# Altium PCB HW_RV_TOUCH_R1M1.PcbDoc (part 3 of 5)
Units mil, origin at the board's own origin, x right, y up, seen from the top; angles counter-clockwise.
Board outline 7086.61 x 4330.71 mil, 6 copper layers (Top Layer, Int1 (GND), Int2 (Sig), Int3 (PWR), Int4 (GND), Bottom Layer), stack 77.316 mil thick; 341 components, 211 nets, 1147 pads, 844 vias.
Unrouted connection lines stored in the file: 123.
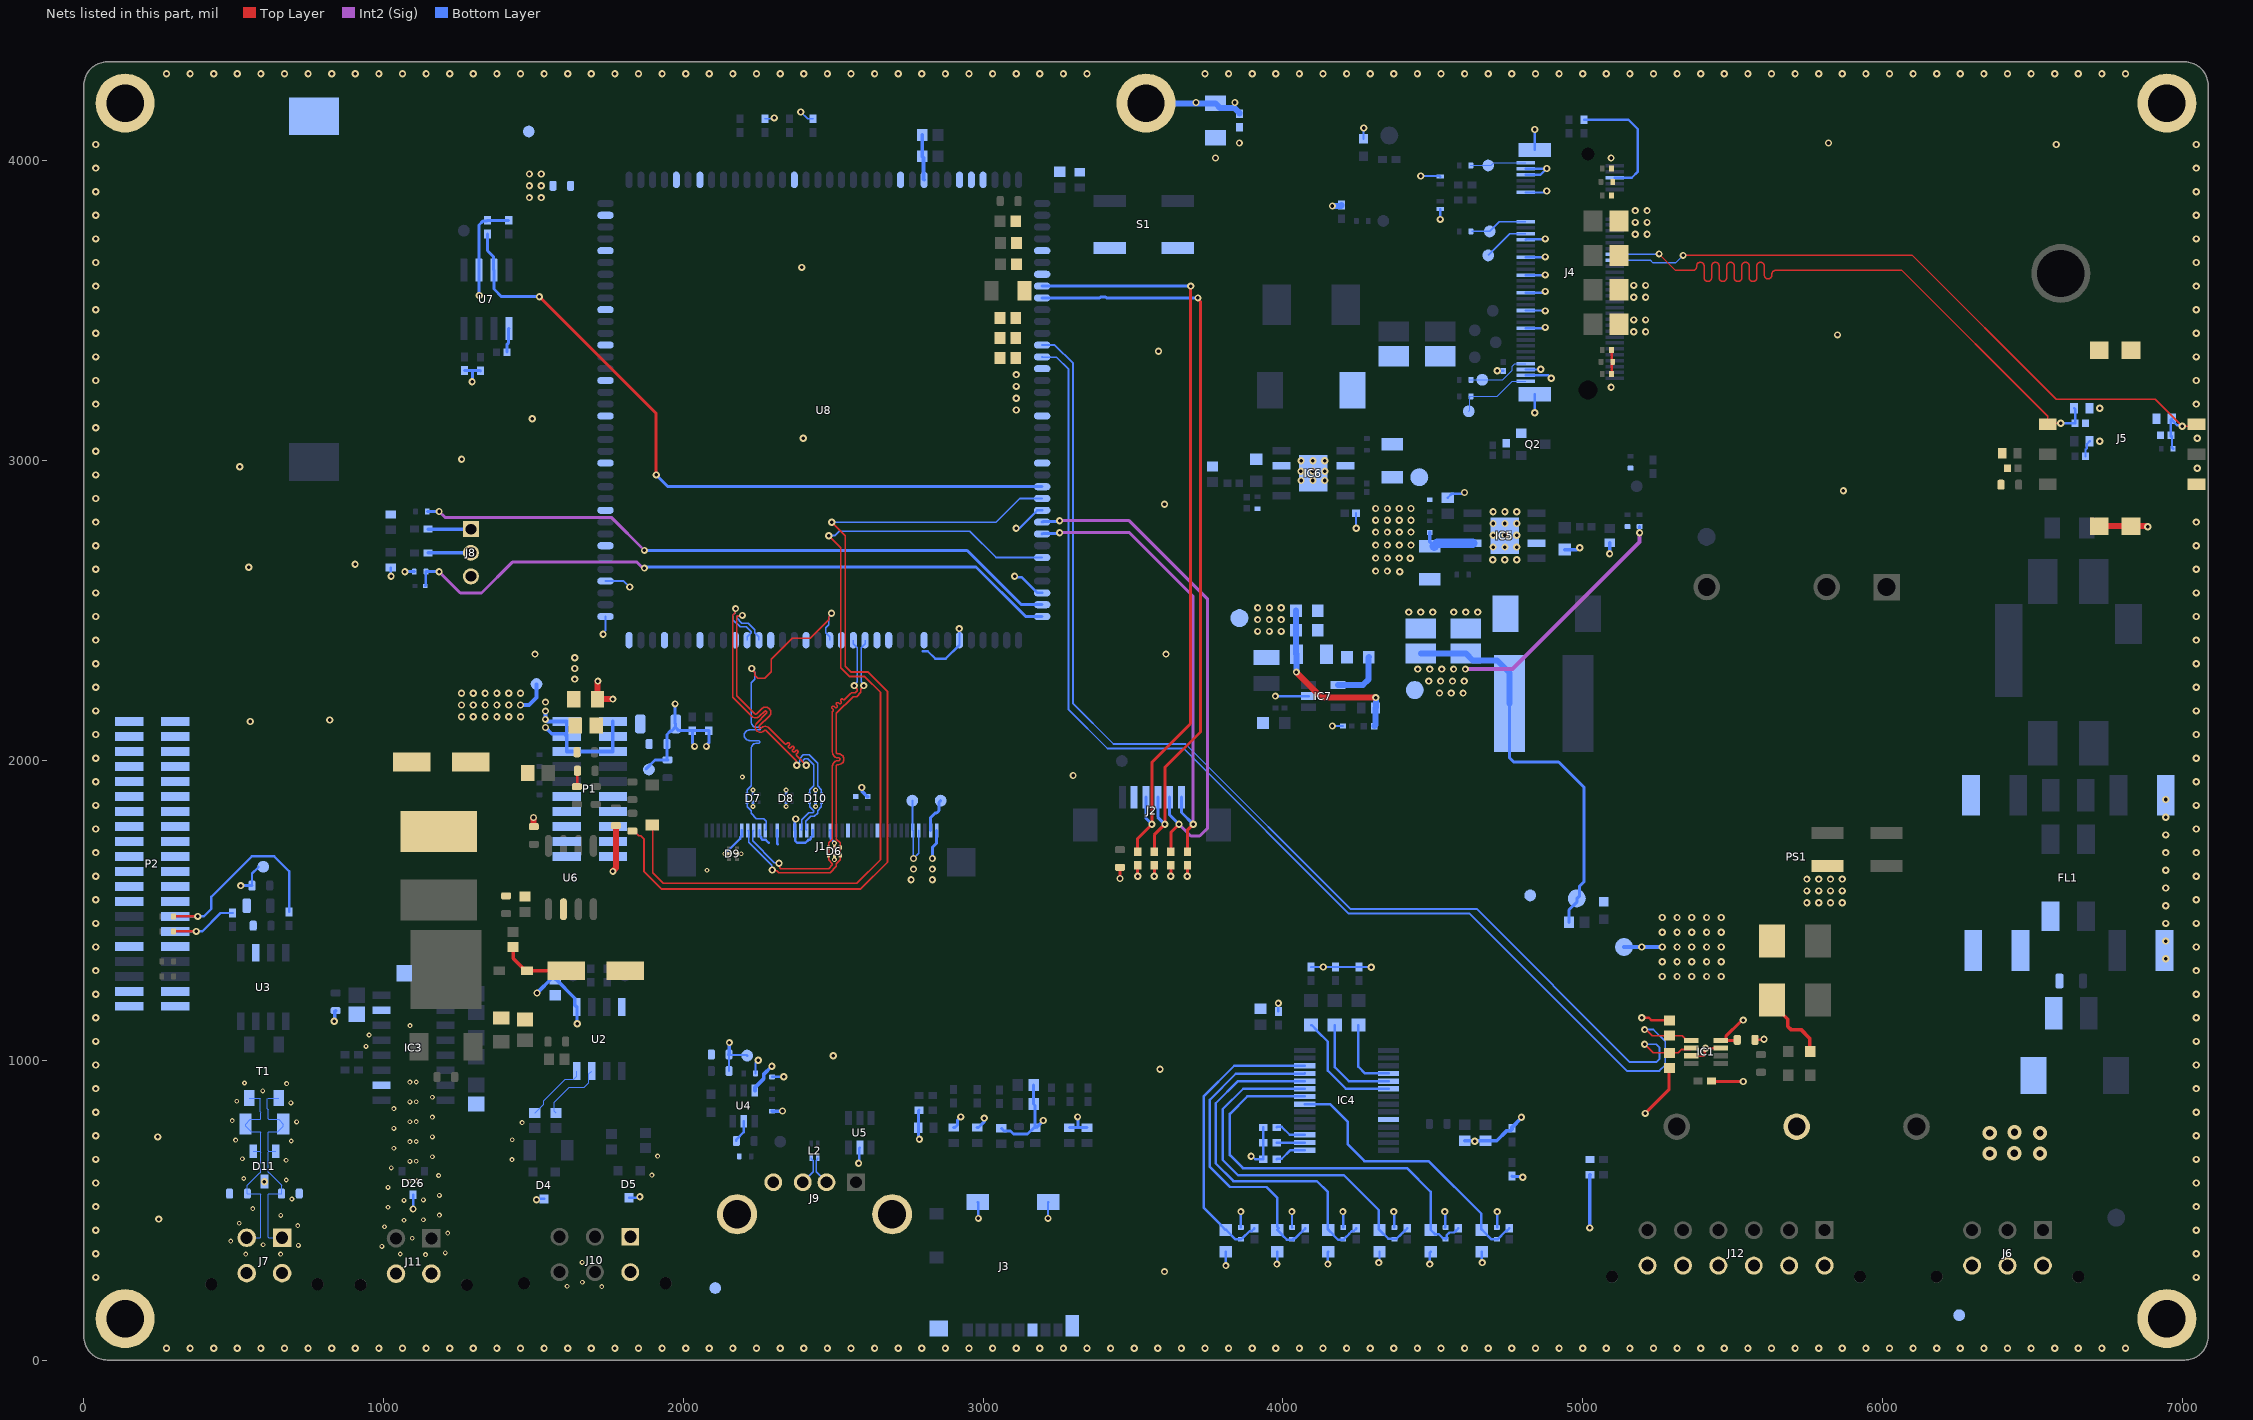
[diagram p7: the nets of this part, all layers, seen from the top]

## Via types
v1: diameter 24.02, hole 12.01, Top Layer to Bottom Layer, tented both sides, 744 vias
v2: diameter 16.14/16.14/16.14/16.14/16.14/16.14 (per signal layer), hole 8.07, Top Layer to Bottom Layer, tented both sides, 71 vias
v3: diameter 16.14, hole 8.07, Top Layer to Bottom Layer, tented both sides, 12 vias
v4: diameter 24.02, hole 12.01, Top Layer to Bottom Layer, 11 vias
v5: diameter 47.24, hole 24.02, Top Layer to Bottom Layer, tented both sides, 6 vias

## Nets (pads, with @x,y where several pads share a name; then routed paths per layer and width w, separated by ;. In a path a pad name is that pad's centre, name@x,y a point inside that pad or via, vN(x,y) a via of type N, cw(c..) or ccw(c..) an arc to the next point about the centre after c; other vN are vias at no path point) (continued)
+3V3: C11.1 C30.2 C31.2 C32.2 C33.2 C65.2 C66.2 C70.2 C80.2 C81.2 D6.5 D7.5 D8.5 D9.5 D10.5 FB1.2 FB2.1 FB3.1 FB6.2 IC1.4 L6.2 P1.1 P1.2 P1.3 P1.4 P1.5 P1.6 R4.2 R5.2 R8.2 R25.2 R26.2 R27.2 R28.2 R29.2 R30.2 R38.2 R56.2 R57.2 R58.2 R59.2 R71.2 R73.2 R75.2 R84.2 R86.2 R88.2 R89.2 R91.2 R93.2 R96.2 R100.2 R101.2 R102.2 R103.2 R114.2 R115.2 R118.2 TP12.1 TP16.1 TP18.1 U2.1 U7.2 | length 4331.8
  Top Layer w6: D9.5@2178.64,1688.98 v3(2192.91,1688.98) ; v3(2503.94,1669.29) D6.5@2503.94,1683.56
  Top Layer w7.99: v1(5196.85,1141.73) 5220.87,1141.73 5229.41,1133.19 R5.2@5289.43,1133.19
  Top Layer w10: v1(3456.69,1606.3) FB2.1@3456.69,1643.7 ; v1(3515.75,1614.17) R29.2@3515.75,1650.59 ; v1(3570.87,1614.17) R28.2@3570.87,1650.59 ; v1(3625.98,1614.17) R30.2@3625.98,1650.59 ; v1(3681.1,1614.17) R27.2@3681.1,1650.59 ; v1(5208.66,822.83) 5287.4,901.57 5287.4,971.71 R8.2@5289.43,973.74 ; R4.2@5430.18,930.44 5430.83,929.78 5534.78,929.78 v1(5535.43,929.13) ; C11.1@5515.81,1068.23 5513.84,1066.26 IC1.4@5460.69,1066.26 5473.86,1066.26 5477.71,1070.12 5477.71,1080.12 5528.77,1131.18 5532.75,1131.18 v1(5535.43,1133.86)
  Top Layer w20: v1(4045,2295) 4130,2210 v1(4310,2210)
  Bottom Layer w6: v3(2232.28,1846.46) D7.5@2232.28,1860.73 ; v3(2342.52,1846.46) D8.5@2342.52,1860.73 ; v3(2440.94,1846.46) D10.5@2440.94,1860.73
  Bottom Layer w8: FB3.1@561.02,1582.68 561.02,1622.51 582.68,1644.17 TP18.1@582.68,1645.67 ; R96.2@3860,442.03 3859.89,442.14 3859.89,494.89 v1(3860,495) ; v1(3894.06,679.53) 3897.8,679.53 3907.65,669.68 R101.2@3934.41,669.68 R102.2@3934.41,724.8 R103.2@3934.41,775.98 ; R100.2@3985,1162.64 v1(3985,1190) ; v1(4030,495) 4030.29,494.71 4030.29,442.32 R93.2@4030.58,442.03 ; R118.2@4094.25,1311.26 R115.2@4174.96,1311.26 R114.2@4253.7,1311.26 4293.74,1311.26 v1(4295,1310) ; v1(4200,495) 4200.69,494.31 4200.69,442.72 R91.2@4201.38,442.03 ; v1(4370,495) 4371.09,493.91 4371.09,443.12 R88.2@4372.18,442.03 ; R86.2@4540,442.03 4541.49,443.52 4541.49,493.51 v1(4540,495) ; R71.2@4715,442.03 v1(4715,495)
  Bottom Layer w10: v1(523.62,1582.68) FB3.1@561.02,1582.68 ; v1(1070.87,2629.92) R38.2@1102.36,2629.92 ; R57.2@1270.24,3301.36 1270.82,3300.78 1296.54,3300.78 ; v1(1295.28,3263.78) 1296.54,3265.04 1296.54,3300.78 ; v1(1318.9,3551.18) 1318.08,3552 U7.2@1318.08,3636 1318.08,3786.58 1330.71,3799.21 1343.5,3799.21 R58.2@1346.46,3802.17 R59.2@1417.32,3802.17 ; R56.2@1322.83,3300.2 1322.25,3300.78 1296.54,3300.78 ; U2.1@1644.57,1177.57 1645.12,1177.03 1645.12,1122.59 v1(1645.67,1122.05) ; TP12.1@1876.09,1972.44 1905.61,2001.97 FB1.2@1946.95,2001.97 ; FB1.2@1947.94,2000.98 FB1.2@1946.95,2001.97 ; v1(1972.44,2188.98) 1972.49,2188.93 1972.49,2124.07 C32.2@1974.51,2122.05 C32.2@1974.51,2112.32 ; v1(2037.4,2047.24) 2037.4,2051.04 2029.63,2058.81 R25.2@2029.63,2099.41 ; v1(2076.77,2047.24) 2076.77,2051.04 2084.75,2059.01 R26.2@2084.75,2099.41 R25.2@2029.63,2099.41 ; R89.2@4764.13,613.58 4764.63,613.09 v1@4800,613.09 ; FB1.2@1946.95,2001.97 1945.97,2002.95 1945.97,2054.13 C33.2@1944.98,2055.12 1944.98,2086.85 1956.07,2097.93 1960.12,2097.93 C32.2@1974.51,2112.32 ; C32.2@1974.51,2112.32 1974.51,2109.86 1984.97,2099.41 R25.2@2029.63,2099.41
  Bottom Layer w12: v1(835,1130) 837.3,1132.3 837.3,1162.77 FB6.2@840,1165.47 ; v1(1511.81,1224.41) 1562.99,1275.59 1567.13,1275.59 C31.2@1572.83,1269.88 1574.8,1269.88 1637.78,1206.91 1637.78,1184.37 U2.1@1644.57,1177.57 ; v1(1540,2110) 1561.24,2088.76 1602.69,2088.76 P1.4@1611.46,2080 ; v1(1540,2165) 1539.91,2164.91 1539.91,2137.12 v1(1539.82,2137.03) 1546.85,2130 P1.2@1611.46,2130 P1.4@1611.46,2080 ; P1.1@1765,2130 P1.3@1765,2080 P1.5@1765,2030 P1.6@1611.46,2030 P1.4@1611.46,2080 ; C81.2@4606.65,731.69 C80.2@4675.55,731.69 4713.24,731.69 4745.81,764.27 4758.32,764.27 4764.13,770.08 R84.2@4764.13,773.03 4764.13,775.98 4795.63,807.48 v1(4795.63,809.83)
  Bottom Layer w20: C65.2@4043.58,2500 C66.2@4043.58,2435 4044.17,2434.42 4044.17,2355.58 C30.2@4044.75,2355 4044.87,2354.87 4044.87,2295.13 v1(4045,2295) ; v1(4165,3850) 4193.19,3850 4195,3851.81 R75.2@4195,3852.64 ; R73.2@4305.43,2115 4308.62,2118.19 C70.2@4308.62,2175 4310,2176.38 v1(4310,2210)
  other v1: 4800,610 4640,730 4134.61,1311.26 1540,2195 3915.63,2430.63 3955,2430.63 3994.37,2430.63 3915.63,2470 3955,2470 3994.37,2470 3915.63,2509.37 3955,2509.37 3994.37,2509.37
+5V0: C16.1 C17.1 C38.2 C52.2 C53.2 C54.2 C67.1 IC7.4 L5.2 R10.2 R11.2 R34.1 R35.2 R68.2 TP7.1 TP17.1 TP20.1 U4.6 | length 2656.4
  Int2 (Sig) w14: v1(4608.74,2305) 4765.63,2305 5190,2729.37 v1(5190,2760)
  Bottom Layer w8: R34.1@2152.17,964.19 C38.2@2152.17,1019.3 2153.95,1017.53 2210.82,1017.53 TP20.1@2212.6,1015.75
  Bottom Layer w10: L5.2@4755.83,2190 4755.83,2009.17 4770,1995 4920,1995 5005,1910 5005,1596.21 4989.91,1581.12 4989.91,1548.74 TP7.1@4980.34,1539.17 ; R11.2@4954.75,1460.43 4954.75,1501.95 4980.34,1527.54 TP7.1@4980.34,1540 ; v1(5190,2760) R10.2@5190,2780.63
  Bottom Layer w12: C38.2@2152.17,1019.3 2152.86,1019.99 2152.86,1058.37 v1(2153.54,1059.06) ; U4.6@2238.79,899.22 2238.79,909.07 2267.5,937.77 2267.5,952.54 v1(2295.28,980.32) ; R35.2@2295.88,830.33 2296.07,830.52 2330.52,830.52 v1(2330.71,830.71)
  Bottom Layer w20: IC7.4@4184.21,2252.01 4267.01,2252.01 4285,2270 4285,2343.58 C67.1@4286.42,2345 ; C16.1@4460,2357.27 C17.1@4610,2357.27 4633.52,2333.75 4714.65,2333.75 4755.83,2292.57 L5.2@4755.83,2190
  other v1: 4522.52,2225 4561.89,2225 4601.26,2225 4486.26,2265 4526.26,2265 4565.63,2265 4605,2265 4450,2305 4490,2305 4530,2305 4569.37,2305 3110.24,3169.29 3110.24,3208.66 3110.24,3248.03 3110.24,3287.4
+12V: C15.2 C18.2 C41.1 IC5.2 IC6.2 J7.3 J10.1 J11.3 L3.1 R1.2 R3.2 R7.2 R9.2 R42.2 R107.2 TP2.1 TP4.1 TP21.1 | length 843.1
  Top Layer w12: R3.2@5631.89,1200.79 5631.89,1188.98 5684.34,1136.53 5684.34,1112.86 5694.83,1102.36 5728.35,1102.36 5757.87,1072.83 5757.87,1029.91 R7.2@5758.92,1028.86
  Bottom Layer w11.81: R9.2@4490,2760.63 4490,2729.49 4504.76,2714.72 C15.2@4505.16,2714.72
  Bottom Layer w12: v1(1456.69,2185.04) 1485.04,2185.04 1510,2210 TP21.1@1510,2255 ; v1(5023.62,440.94) 5024.11,441.44 5024.11,617.62 R1.2@5024.61,618.11 ; TP2.1@5137.8,1377.95 v1(5196.85,1377.95) v1(5265.75,1377.95)
  Bottom Layer w31.5: C15.2@4505.16,2714.72 4515.43,2725 IC5.2@4633.23,2725
  other v1: 5265.75,1279.53 5314.96,1279.53 5364.17,1279.53 5413.39,1279.53 5462.6,1279.53 5265.75,1328.74 5314.96,1328.74 5364.17,1328.74 5413.39,1328.74 5462.6,1328.74 5314.96,1377.95 5364.17,1377.95 5413.39,1377.95 5462.6,1377.95 5265.75,1427.17 5314.96,1427.17 5364.17,1427.17 5413.39,1427.17 5462.6,1427.17 5265.75,1476.38 5314.96,1476.38 5364.17,1476.38 5413.39,1476.38 5462.6,1476.38 1259.84,2145.67 1299.21,2145.67 1338.58,2145.67 1377.95,2145.67 1417.32,2145.67 1456.69,2145.67 1259.84,2185.04 1299.21,2185.04 1338.58,2185.04 1377.95,2185.04 1417.32,2185.04 1259.84,2224.41 1299.21,2224.41 1338.58,2224.41 1377.95,2224.41 1417.32,2224.41 1456.69,2224.41 4390,2630 4309.37,2631.97 4348.74,2631.97 4309.37,2675.28 4348.74,2675.28 4388.11,2675.28 4425,2675 4309.37,2718.58 4348.74,2718.58 4388.11,2718.58 4427.48,2718.58 4309.37,2761.89 4348.74,2761.89 4388.11,2761.89 4427.48,2761.89 4309.37,2801.26 4348.74,2801.26 4388.11,2801.26 4427.48,2801.26 4309.37,2840.63 4348.74,2840.63 4388.11,2840.63 4427.48,2840.63
A: R18.1 U2.8 | length 214.9
  Bottom Layer w4: R18.1@1503.94,824.8 1505.91,824.8 1535,853.9 1535,865 1606.01,936.01 1633.78,936.01 1644.57,946.81 U2.8@1644.57,964.03
A0: IC4.17 R103.1 | length 105.3
  Bottom Layer w8: R103.1@3979.68,775.98 3981.65,777.95 3996.42,777.95 4022.99,751.38 IC4.17@4073.19,751.38
A1: IC4.16 R102.1 | length 93.9
  Bottom Layer w8: R102.1@3979.68,724.8 3980.18,725.3 4072.7,725.3 IC4.16@4073.19,725.79
A2: IC4.15 R101.1 | length 106.1
  Bottom Layer w8: R101.1@3979.68,669.68 3981.65,671.65 3996.42,671.65 4024.96,700.2 IC4.15@4073.19,700.2
AGND: FB9.2 U8.18 U8.21 U8.24 U8.27 U8.32 U8.35 U8.41 U8.43
B: R20.1 U2.7 | length 222.1
  Bottom Layer w4: R20.1@1574.8,824.8 1570,829.61 1570,860 1620,910 1670,910 1685,925 1685,954.45 U2.7@1694.57,964.03
CAN0_N: C36.2 D11.1 J7.2 R32.2 T1.4 | length 715.5
  Bottom Layer w4: J7.2@543.31,407.87 588.02,407.87 590.36,410.22 590.36,479.44 590.36,552.77 588.02,555.12 C36.2@545.28,555.12 545.28,582.3 587.08,624.11 588.02,624.11 590.36,626.45 590.36,657.93 590.36,693.52 588.02,695.87 ; T1.4@551.18,874.02 586.05,874.02 588.39,871.67 588.39,827.57 590.36,825.6 590.36,805.49 588.02,803.15 555.12,803.15 R32.2@539.37,787.4 539.37,780.48 558.04,761.81 588.02,761.81 590.36,759.47 590.36,730.9 590.36,698.21 588.02,695.87 ; D11.1@564.96,695.87 588.02,695.87
CAN0_P: C37.2 D11.2 J7.1 R32.1 T1.3 | length 715.5
  Bottom Layer w4: D11.2@639.76,695.87 616.71,695.87 ; T1.3@649.61,874.02 614.74,874.02 612.39,871.67 612.39,837.51 614.36,835.54 614.36,805.49 616.71,803.15 649.61,803.15 R32.1@665.35,787.4 665.35,780.48 646.69,761.81 616.71,761.81 614.36,759.47 614.36,740.84 614.36,698.21 616.71,695.87 ; J7.1@661.42,407.87 616.71,407.87 614.36,410.22 614.36,469.5 614.36,552.77 616.71,555.12 C37.2@659.45,555.12 659.45,582.3 617.64,624.11 616.7,624.11 614.36,626.45 614.36,647.99 614.36,693.52 616.71,695.87
CAN0_RX: P2.14 R33.2 R110.1 | length 722.6
  Top Layer w8: R110.1@299.37,1480 v4(380,1480)
  Bottom Layer w8: P2.14@305,1480 400,1480 425,1505 425,1545 560,1680 635,1680 685.04,1629.96 R33.2@685.04,1495.08
CAN0_TX: P2.12 R31.2 R108.1 | length 292
  Top Layer w8: R108.1@299.37,1430 v4(375,1430)
  Bottom Layer w8: P2.12@305,1430 v4(375,1430) 395,1430 456.14,1491.14 R31.2@496.06,1491.14
CHS_GND: C2.2 C3.2 C9.1 C10.1 C74.1 MTG1.0 MTG2.0 MTG3.0 MTG4.0 MTG6.0 R83.1 | length 328
  Bottom Layer w20: MTG6.0@3543.31,4192.91 3543.72,4192.5 3774.59,4192.5 C74.1@3775,4192.09 3790.59,4176.5 3839.09,4176.5 3855,4160.59 R83.1@3855,4157.64
  other v1: 6944.88,1338.58 6944.88,1397.64 6944.88,1456.69 6944.88,1515.75 6944.88,1574.8 6944.88,1633.86 6944.88,1692.91 6944.88,1751.97 6944.88,1811.02 6944.88,1870.08 3710,4195 3840,4195
CLK1: C75.2 D32.2 J4.32 J5.3 | length 2340.7
  Top Layer w5.1: v1(5255,3690) 5310,3635 5365,3635 5367.55,3635 ccw(c5367.55,3647.55) 5380.1,3647.55 5380.1,3649.63 cw(c5392.65,3649.63) 5405.2,3649.63 5405.2,3610.56 ccw(c5417.75,3610.56) 5430.3,3610.56 5430.3,3649.63 cw(c5442.85,3649.63) 5455.4,3649.63 5455.4,3610.56 ccw(c5467.95,3610.56) 5480.5,3610.56 5480.5,3649.63 cw(c5493.05,3649.63) 5505.6,3649.63 5505.6,3610.56 ccw(c5518.15,3610.56) 5530.7,3610.56 5530.7,3649.63 cw(c5543.25,3649.63) 5555.8,3649.63 5555.8,3610.56 ccw(c5568.35,3610.56) 5580.9,3610.56 5580.9,3649.63 cw(c5593.45,3649.63) 5606,3649.63 5606,3619.3 ccw(c5618.55,3619.3) 5631.1,3619.3 5631.1,3622.45 cw(c5643.65,3622.45) 5643.65,3635 5678.71,3635 6065,3635 6551.54,3148.46 6551.54,3121.88 J5.3@6551.97,3121.46 ; J5.3@6555.51,3125 v1(6595,3125)
  Bottom Layer w5.1: J4.32@5108.09,3689.15 v1@5254.15,3689.15
  Bottom Layer w8: J4.32@5107.24,3688.31 J4.32@5108.09,3689.15 ; v1@5254.15,3689.15 v1(5255,3690) ; v1(6595,3125) C75.2@6642.68,3125 6642.68,3171.73 D32.2@6639.41,3175
Config_0: J4.21 R136.1 TP23.1 | length 193.7
  Bottom Layer w4.7: R136.1@4629.37,3765 TP23.1@4690,3765 4721.57,3796.57 J4.21@4810,3796.57
Config_1: J4.69 R135.1 TP35.1 | length 220.3
  Bottom Layer w4: R135.1@4619.69,3270 4732.83,3270 4765,3302.17 4765,3315 4774.13,3324.13 J4.69@4810,3324.13
Config_2: J4.75 R134.1 TP36.1 | length 264.1
  Bottom Layer w4: R134.1@4619.69,3215 R134.1@4627.32,3215 ; TP36.1@4620,3165 4623.66,3168.66 4623.66,3211.34 R134.1@4627.32,3215 ; J4.75@4810,3265.08 4765.08,3265.08 4715,3215 R134.1@4627.32,3215
Config_3: J4.1 R133.1 TP22.1 | length 188.5
  Bottom Layer w4: R133.1@4625,3985 4694.57,3985 4703,3993.43 J4.1@4810,3993.43
CTP_#INT: J2.5 R30.1 U8.98 | length 1755.6
  Top Layer w10: R30.1@3625.98,1695.87 3625.98,1759.84 v1(3653.54,1787.4)
  Int2 (Sig) w10: v1(3255,2800) 3487.4,2800 3749.02,2538.39 3749.02,1774.56 3722.49,1748.03 3692.91,1748.03 v1(3653.54,1787.4)
  Bottom Layer w10: U8.98@3196.85,2795.27 3199.21,2797.64 3252.64,2797.64 v1(3255,2800) ; J2.5@3622.05,1877.95 3622.05,1818.9 v1(3653.54,1787.4)
CTP_#RESET: J2.6 R27.1 U8.99 | length 1560.2
  Top Layer w10: R27.1@3681.1,1695.87 3681.1,1767.72 v1(3700.79,1787.4)
  Int2 (Sig) w10: v1(3255,2760) 3488.03,2760 3700.79,2547.24 v1(3700.79,1787.4)
  Bottom Layer w10: U8.99@3196.85,2755.9 3198.9,2757.95 3252.95,2757.95 v1(3255,2760) ; J2.6@3661.42,1877.95 3661.42,1826.77 v1(3700.79,1787.4)
CTP_SCL: J2.3 R29.1 U8.78 | length 2555
  Top Layer w10: R29.1@3515.75,1695.87 3515.75,1740.16 v1(3562.99,1787.4) 3562.99,1994.32 3691.53,2122.85 3691.53,3581.29 v1(3692.91,3582.68)
  Bottom Layer w10: U8.78@3196.85,3582.68 v1(3692.91,3582.68) ; J2.3@3543.31,1877.95 3543.31,1807.09 v1(3562.99,1787.4)
CTP_SDA: J2.4 R28.1 U8.79 | length 2537
  Top Layer w10: R28.1@3570.87,1695.87 3570.87,1751.97 v1(3606.3,1787.4) 3606.3,1976.38 3725,2095.08 3725,3531.05 3716.54,3539.51 v1(3716.54,3543.31)
  Bottom Layer w10: U8.79@3196.85,3543.31 3388.6,3543.31 3391.3,3546.01 3408.7,3546.01 3411.4,3543.31 v1(3716.54,3543.31) ; J2.4@3582.68,1877.95 3582.68,1811.02 v1(3606.3,1787.4)
DAT1: C79.2 D29.2 J4.34 J5.6 R138.1 | length 2350.7
  Top Layer w5.1: v1(5335,3685) 6100,3685 6580,3205 6910,3205 v1(7000,3115) 7041.57,3115 J5.6@7048.03,3121.46
  Bottom Layer w5.1: J4.34@5107.24,3668.62 5226.38,3668.62 5235,3660 5310,3660 v1(5335,3685)
  Bottom Layer w8: C79.2@6963.5,3079.72 6962.32,3080.9 C79.2@6962.32,3085 ; R138.1@6969.69,3040 6966,3043.68 6966,3081.32 C79.2@6962.32,3085 ; v1(7000,3115) 6996.94,3118.06 6983.59,3118.06 6965.59,3136.06 D29.2@6965.59,3140 6962.32,3136.73 C79.2@6962.32,3085
DBG_UART_RX: D13.2 R38.1 U8.106 | length 2253.4
  Int2 (Sig) w10: v1(1185.04,2629.92) 1255.91,2559.06 1326.77,2559.06 1429.13,2661.42 1845.6,2661.42 1865.28,2641.73 v1(1870.08,2641.73)
  Bottom Layer w8: D13.2@1139.27,2582.68 1140.5,2583.91 1140.5,2628.69 R38.1@1141.73,2629.92
  Bottom Layer w10: R38.1@1141.73,2629.92 v1(1185.04,2629.92) ; v1(1870.08,2641.73) 1874.02,2645.67 2976.38,2645.67 3141.73,2480.31 U8.106@3196.85,2480.31
DBG_UART_TX: R39.2 U8.105 | length 2180
  Int2 (Sig) w10: v1(1185.04,2830.71) 1204.52,2811.23 1759.64,2811.23 v1(1870.08,2700.79)
  Bottom Layer w10: R39.2@1145.67,2830.71 v1(1185.04,2830.71) ; v1(1870.08,2700.79) 2946.72,2700.79 3127.82,2519.68 U8.105@3196.85,2519.68
DEBUG_RX: J8.2 R41.1 | length 142.7
  Bottom Layer w12: R41.1@1148.62,2692.91 J8.2@1291.34,2692.91
DEBUG_TX: J8.1 R40.1 | length 142.7
  Bottom Layer w12: R40.1@1148.62,2771.65 J8.1@1291.34,2771.65
DRP: J4.25 TP28.1 | length 154.9
  Bottom Layer w4.7: TP28.1@4685,3685 4757.2,3757.2 J4.25@4810,3757.2
FUL_CARD_POWER_OFF#: J4.6 R79.1 | length 419
  Bottom Layer w8: R79.1@5005,4137.64 5152.36,4137.64 5184.21,4105.79 5184.21,3964.69 5163.74,3944.21 J4.6@5107.24,3944.21
GND: BAT1.NEG C8.2 C11.2 C15.1 C16.2 C17.2 C18.1 C19.2 C20.1 C21.2 C22.2 C23.1 C24.1 C30.1 C31.1 C32.1 C33.1 C34.1 C35.1 C36.1 C37.1 C38.1 C39.1 C40.1 C41.2 C42.2 C43.1 C44.1 C45.1 C46.1 C47.1 C48.1 C49.1 C50.1 C51.1 C52.1 C53.1 C54.1 C55.1 C56.1 C57.1 C58.1 C59.1 C62.2 C63.2 C64.2 C65.1 C66.1 C67.2 C68.2 C69.1 C72.1 C74.2 C75.1 C76.1 C77.1 C78.1 C79.1 C82.1 C84.2 C85.2 C86.2 C87.2 C88.1 C89.1 C90.2 C91.1 C92.1 C93.1 C94.1 C95.1 C96.1 C97.2 C98.2 D2.1 D3.1 D4.3 D5.3 D6.2 D7.2 D8.2 D9.2 D10.2 D11.3 D14.1 D15.1 D18.1 D19.1 D20.1 D21.1 D22.1 D23.1 D24.1 D25.1 D26.3 D27.1 D28.1 D29.1 D30.1 D31.1 D32.1 D36.2 D37.2 FB9.1 GND.1 IC1.3 IC1.7 IC3.10 IC3.15 IC4.10 IC5.7 IC5.9 IC6.7 IC6.9 IC7.2 J1.7 J1.10 J1.13 J1.16 J1.19 J1.22 J1.25 J1.30 J2.2 J3.6 J3.G1 J3.G2 J3.G3 J3.G4 J4.3 J4.5 J4.11 J4.27 J4.33 J4.39 J4.45 J4.51 J4.57 J4.71 J4.73 J4.76 J4.77 J5.4 J5.S1 J5.S2 J5.S3 J5.S4 J7.4 J8.3 J9.4 J9.SH1 J9.SH2 J10.4 J11.4 J12.7 J12.8 J12.9 J12.10 J12.11 J12.12 P1.11 P1.12 P1.13 P1.14 P1.15 P1.16 P1.17 P1.18 P1.19 P1.20 P2.1 P2.2 P2.3 P2.4 P2.9 P2.10 P2.15 P2.16 P2.17 P2.18 P2.19 P2.20 P2.21 P2.22 P2.23 P2.24 P2.25 P2.26 P2.27 P2.28 P2.29 P2.30 P2.31 P2.32 P2.33 P2.34 P2.35 P2.36 P2.37 P2.38 P2.39 P2.40 PS1.5 Q2.2 R2.1 R36.1 R37.1 R49.1 R50.1 R52.1 R54.1 R55.1 R67.1 R74.1 R77.1 R83.2 R99.2 R105.2 R111.1 R113.1 R120.1 R122.1 R126.1 R128.2 R130.2 R137.2 S1.3 S1.4 TP26.1 TP27.1 TP29.1 U2.4 U3.2 U4.2 U5.2 U6.6 U7.5 U8.1 U8.4 U8.7 U8.10 U8.14 U8.51 U8.60 U8.62 U8.65 U8.66 U8.67 U8.75 U8.77 U8.85 U8.89 U8.93 U8.97 U8.104 U8.112 U8.115 U8.118 U8.119 U8.122 U8.125 U8.128 U8.131 U8.134 U8.137 U8.140 | length 4947.8
  Top Layer w6: v3(2137.8,1688.98) D9.2@2152.07,1688.98 ; D6.2@2503.94,1710.14 v3(2503.94,1724.41)
  Top Layer w7.99: C44.1@1644.69,1912.68 1645.67,1913.66 1645.67,1964.84 C43.1@1646.65,1965.83
  Top Layer w8: C98.2@5096.5,3290 5096.5,3311.84 5096.56,3311.91 5096.56,3326.13 C72.1@5100.43,3330 5100.43,3331.97 5096.5,3335.91 C69.1@5096.5,3370 ; IC1.7@5362.26,1015.08 5404.92,1015.08 5406.94,1017.09 5406.94,1036.94 v1(5410,1040) 5410.33,1040.33 5460.36,1040.33 IC1.3@5460.69,1040.67 ; C11.2@5574.86,1068.23 5603.23,1068.23 v1(5605,1070)
  Top Layer w20: v1(1500,1810) 1500.49,1809.51 1500.49,1780.02 C46.1@1500.98,1779.53 ; v1(1715,2265) 1713.58,2263.58 R55.1@1713.58,2204.72 1764.72,2204.72 v1(1765,2205) ; v4(1765,1630) 1765,1631.09 1774.61,1640.69 C45.1@1774.61,1782.76 ; J5.S4@6723.23,2781.69 J5.S3@6829.53,2781.69 6883.31,2781.69 v1(6885,2780)
  Bottom Layer w6: v1(1732.28,2421.26) 1732.28,2426.13 1740.15,2434 U8.1@1740.15,2480.31 ; U8.4@1740.15,2598.42 1801.18,2598.42 v1(1820.87,2578.74) ; R105.2@2271.65,4140.75 2300.2,4140.75 v1(2303.15,4143.7) ; v1(2391.73,4163.39) 2414.37,4140.75 R99.2@2433.07,4140.75
  Bottom Layer w7.99: v1(1098.43,503.94) D26.3@1098.43,551.18 ; C39.1@2176.78,730.82 2176.78,735.74 2201.39,760.34 U4.2@2201.39,796.86 ; D7.2@2232.28,1887.3 v3(2232.28,1901.57) ; D8.2@2342.52,1887.3 v3(2342.52,1901.57) ; D10.2@2440.94,1887.3 v3(2440.94,1901.57) ; v1(2584.65,656.5) 2586.61,658.46 2586.61,706.69 U5.2@2588.58,708.66 ; J3.G4@2982.68,526.57 2984.25,525 v1(2984.25,472.44) ; v1(3216.54,472.44) 3216.54,525.39 J3.G3@3217.72,526.57 ; R122.1@4550,2876.57 4563.72,2890.3 4597.66,2890.3 4601.52,2894.15 v1(4605.85,2894.15)
  Bottom Layer w8: D14.1@1023.62,2643.7 1023.62,2616.38 v1(1025,2615) ; v1(1510,535) 1512.6,537.6 D4.3@1535.43,537.6 ; D5.3@1818.9,541.54 1851.54,541.54 v1(1855,545) ; v3(2137.8,1688.98) 2138.98,1688.98 2189.1,1739.1 2189.1,1743.51 2194.88,1749.29 J1.7@2194.88,1767.01 ; R37.1@2240.76,956.31 2240.76,990.76 v1(2250,1000) ; J1.10@2253.94,1767.01 2253.94,1749.29 2259.72,1743.51 2259.72,1740.07 2264.4,1735.39 2274.61,1735.39 2285,1725 ; R36.1@2295.88,944.5 2334.5,944.5 v1(2335,945) ; J1.13@2312.99,1767.01 2312.99,1722.01 2315,1720 ; v1(2375,1805) 2372.05,1802.05 J1.16@2372.05,1767.01 2373.3,1765.75 2373.3,1731.39 2379.69,1725 2406.81,1725 2417.2,1735.39 2420.64,1735.39 2425.32,1740.07 2425.32,1743.51 2431.1,1749.29 J1.19@2431.1,1767.01 ; J1.22@2490.16,1767.01 2492.06,1765.1 2492.06,1738.49 2503.94,1726.61 v3(2503.94,1724.41) ; 2798.15,2364.58 2815.42,2364.58 2840,2340 2875.43,2340 2921.26,2385.83 U8.112@2921.26,2401.57 2921.26,2438.74 v1(2920,2440) ; v1(3105,2615) 3108.06,2611.94 3128.22,2611.94 3181.1,2559.05 U8.104@3196.85,2559.05 ; v1(3110,2775) 3121.46,2775 3181.1,2834.64 U8.97@3196.85,2834.64 ; C96.1@3809.8,361.26 3809.8,315.2 v1(3810,315) ; v1(3975,2215) IC7.2@4085.79,2215 ; v1(3980,320) 3980.6,320.6 C95.1@3980.6,361.26 ; v1(4150,320) 4150,359.86 C94.1@4151.4,361.26 ; v1(4165,2115) R74.1@4200.24,2115 ; R126.1@4243.7,2825 4243.7,2776.3 v1(4245,2775) ; D3.1@4268.94,4074.53 4268.94,4108.94 v1(4270,4110) ; v1(4320,325) 4322.2,327.2 C93.1@4322.2,361.26 ; v1(4460,3950) 4522.8,3950 D28.1@4525,3947.8 ; v1(4490,320) 4490,358.26 C92.1@4493,361.26 ; v1(4525,3805) D27.1@4525,3840 ; C91.1@4663.8,361.26 4663.8,326.2 v1(4665,325) ; v1(4715,3300) 4715.1,3300.1 C90.2@4735,3300.1 ; J4.73@4810,3284.76 4885.24,3284.76 v1(4895,3275) ; J4.71@4810,3304.45 4859.45,3304.45 v1(4860,3305) ; J4.57@4810,3442.24 4872.24,3442.24 v1(4875,3445) ; J4.51@4810,3501.3 4873.7,3501.3 v1(4875,3500) ; J4.45@4810,3560.35 4870.35,3560.35 v1(4875,3565) ; J4.39@4810,3619.41 4874.41,3619.41 v1(4875,3620) ; J4.33@4810,3678.46 4810.77,3679.23 4874.23,3679.23 v1(4875,3680) ; J4.27@4810,3737.52 4811.24,3738.76 4873.76,3738.76 v1(4875,3740) ; J4.11@4810,3895 4875,3895 v1(4880,3900) ; J4.5@4810,3954.06 4859.06,3954.06 v1(4880,3975) 4878.74,3973.74 J4.3@4810,3973.74 ; v1(4840,3160) 4840.51,3160.51 J4.77@4840.51,3221.77 ; v1(4840,4105) 4840.51,4104.49 J4.76@4840.51,4036.73 ; C76.1@6677.32,3015 6677.32,3037.32 6681.4,3041.4 6681.4,3055.22 D31.1@6691.18,3065
  Bottom Layer w10: C48.1@1411.02,3362.2 1411.02,3387.4 1417.32,3393.7 1417.32,3440.37 U7.5@1418.08,3441.12 ; R67.1@2786.42,833.34 2784.94,831.87 2784.94,738.68 v1(2787.4,736.22) ; D24.1@2901.57,775.59 2905.51,775.59 2914.29,784.37 2914.29,800.12 v1(2925.2,811.02) ; D25.1@2980.31,775.59 2984.25,775.59 3003.94,795.28 v1(3003.94,807.09) ; D21.1@3061.02,772.96 3069.8,764.18 3090.98,764.18 3101.42,753.73 3148.11,753.73 3169.29,774.92 D20.1@3173.23,774.92 ; C51.1@3168.31,917.32 C50.1@3168.31,854.33 3173.23,849.41 D20.1@3173.23,774.92 ; v1(3200.79,799.21) 3200.79,798.54 3177.17,774.92 D20.1@3173.23,774.92 ; D22.1@3287.4,774.92 3316.93,774.92 ; v1(3314.96,811.02) 3316.93,809.05 3316.93,774.92 ; D23.1@3346.46,774.92 3316.93,774.92
  Bottom Layer w11.81: v1(2595,1910) 2597.34,1907.66 2597.34,1895.38 2613.03,1879.68 R128.2@2615,1879.68 ; C20.1@4940,2703.58 4980.28,2703.58 4986.7,2710 v1(4990,2710) ; v1(5090,2690) C22.2@5090,2726.38
  Bottom Layer w12: C58.1@2796.26,4086.61 C59.1@2796.26,4015.75 2800.93,4011.08 2800.93,3939.24 U8.62@2803.15,3937.01
  other v1: 275.59,39.37 354.33,39.37 433.07,39.37 511.81,39.37 590.55,39.37 669.29,39.37 748.03,39.37 826.77,39.37 905.51,39.37 984.25,39.37 1062.99,39.37 1141.73,39.37 1220.47,39.37 1299.21,39.37 1377.95,39.37 1456.69,39.37 1535.43,39.37 1614.17,39.37 1692.91,39.37 1771.65,39.37 1850.39,39.37 1929.13,39.37 2007.87,39.37 2086.61,39.37 2165.35,39.37 2244.09,39.37 2322.83,39.37 2401.57,39.37 2480.32,39.37 2559.06,39.37 2637.8,39.37 2716.54,39.37 2795.28,39.37 2874.02,39.37 2952.76,39.37 3031.5,39.37 3110.24,39.37 3188.98,39.37 3267.72,39.37 3346.46,39.37 3425.2,39.37 3503.94,39.37 3582.68,39.37 3661.42,39.37 3740.16,39.37 3818.9,39.37 3897.64,39.37 3976.38,39.37 4055.12,39.37 4133.86,39.37 4212.6,39.37 4291.34,39.37 4370.08,39.37 4448.82,39.37 4527.56,39.37 4606.3,39.37 4685.04,39.37 4763.78,39.37 4842.52,39.37 4921.26,39.37 5000,39.37 5078.74,39.37 5157.48,39.37 5236.22,39.37 5314.96,39.37 5393.7,39.37 5472.44,39.37 5551.18,39.37 5629.92,39.37 5708.66,39.37 5787.4,39.37 5866.14,39.37 5944.88,39.37 6023.62,39.37 6102.36,39.37 6181.1,39.37 6259.84,39.37 6338.58,39.37 6417.32,39.37 6496.06,39.37 6574.8,39.37 6653.54,39.37 6732.28,39.37 6811.02,39.37 39.37,275.59 7047.24,275.59 3605,295 39.37,354.33 7047.24,354.33 39.37,433.07 7047.24,433.07 250,470 39.37,511.81 7047.24,511.81 39.37,590.55 7047.24,590.55 602.36,594.49 39.37,669.29 7047.24,669.29 246.74,744.34 39.37,748.03 7047.24,748.03 39.37,826.77 7047.24,826.77 39.37,905.51 7047.24,905.51 3590,970 39.37,984.25 7047.24,984.25 2500,1015 39.37,1062.99 7047.24,1062.99 39.37,1141.73 7047.24,1141.73 39.37,1220.47 7047.24,1220.47 39.37,1299.21 7047.24,1299.21 39.37,1377.95 7047.24,1377.95 39.37,1456.69 7047.24,1456.69 5748.03,1525.59 5787.4,1525.59 5826.77,1525.59 5866.14,1525.59 39.37,1535.43 7047.24,1535.43 5748.03,1564.96 5787.4,1564.96 5826.77,1564.96 5866.14,1564.96 5748.03,1604.33 5787.4,1604.33 5826.77,1604.33 5866.14,1604.33 39.37,1614.17 7047.24,1614.17 39.37,1692.91 7047.24,1692.91 39.37,1771.65 7047.24,1771.65 39.37,1850.39 7047.24,1850.39 39.37,1929.13 7047.24,1929.13 3300,1950 39.37,2007.87 7047.24,2007.87 39.37,2086.61 7047.24,2086.61 555,2130 820,2135 39.37,2165.35 7047.24,2165.35 39.37,2244.09 7047.24,2244.09 39.37,2322.83 7047.24,2322.83 1505,2355 3610,2355 39.37,2401.57 7047.24,2401.57 39.37,2480.32 7047.24,2480.32 4420,2495 4460,2495 4500,2495 4570,2495 4610,2495 4650,2495 39.37,2559.06 7047.24,2559.06 39.37,2637.8 7047.24,2637.8 550,2645 905,2655 4700,2670 4740,2670 4780,2670 4701.26,2711.89 4740.63,2711.89 4780,2711.89 39.37,2716.54 7047.24,2716.54 4701.26,2751.26 4740.63,2751.26 4780,2751.26 4701.26,2790.63 4740.63,2790.63 4780,2790.63 39.37,2795.28 7047.24,2795.28 4701.26,2830 4740.63,2830 4780,2830 3605,2855 39.37,2874.02 5870,2900 4060.63,2934.01 4100,2934.01 4139.37,2934.01 39.37,2952.76 4060,2965 4100,2965 4140,2965 7050,2975 520,2980 4060.63,3000 4100,3000 4139.37,3000 1260,3005 39.37,3031.5 6725,3065 2400,3075 7050,3075 39.37,3110.24 1495.63,3140.26 6725,3175 39.37,3188.98 7047.24,3188.98 5095,3245 39.37,3267.72 7047.24,3267.72 39.37,3346.46 7047.24,3346.46 3585,3365 5850,3420 39.37,3425.2 7047.24,3425.2 5170.63,3430.63 5210,3430.63 5170.63,3470 5210,3470 39.37,3503.94 7047.24,3503.94 5170.63,3545.63 5210,3545.63 39.37,3582.68 7047.24,3582.68 5170.63,3585 5210,3585 2395,3645 39.37,3661.42 7047.24,3661.42 39.37,3740.16 7047.24,3740.16 5175.63,3755.63 5215,3755.63 5175.63,3795 5215,3795 39.37,3818.9 7047.24,3818.9 5175.63,3834.37 5215,3834.37 1486.22,3877.95 1525.59,3877.95 39.37,3897.64 7047.24,3897.64 1486.22,3917.32 1525.59,3917.32 1486.22,3956.69 1525.59,3956.69 39.37,3976.38 7047.24,3976.38 3775,4010 5095,4010 39.37,4055.12 6580,4055 7047.24,4055.12 3855,4060 5820,4060 275.59,4291.34 354.33,4291.34 433.07,4291.34 511.81,4291.34 590.55,4291.34 669.29,4291.34 748.03,4291.34 826.77,4291.34 905.51,4291.34 984.25,4291.34 1062.99,4291.34 1141.73,4291.34 1220.47,4291.34 1299.21,4291.34 1377.95,4291.34 1456.69,4291.34 1535.43,4291.34 1614.17,4291.34 1692.91,4291.34 1771.65,4291.34 1850.39,4291.34 1929.13,4291.34 2007.87,4291.34 2086.61,4291.34 2165.35,4291.34 2244.09,4291.34 2322.83,4291.34 2401.57,4291.34 2480.32,4291.34 2559.06,4291.34 2637.8,4291.34 2716.54,4291.34 2795.28,4291.34 2874.02,4291.34 2952.76,4291.34 3031.5,4291.34 3110.24,4291.34 3188.98,4291.34 3267.72,4291.34 3346.46,4291.34 3740.16,4291.34 3818.9,4291.34 3897.64,4291.34 3976.38,4291.34 4055.12,4291.34 4133.86,4291.34 4212.6,4291.34 4291.34,4291.34 4370.08,4291.34 4448.82,4291.34 4527.56,4291.34 4606.3,4291.34 4685.04,4291.34 4763.78,4291.34 4842.52,4291.34 4921.26,4291.34 5000,4291.34 5078.74,4291.34 5157.48,4291.34 5236.22,4291.34 5314.96,4291.34 5393.7,4291.34 5472.44,4291.34 5551.18,4291.34 5629.92,4291.34 5708.66,4291.34 5787.4,4291.34 5866.14,4291.34 5944.88,4291.34 6023.62,4291.34 6102.36,4291.34 6181.1,4291.34 6259.84,4291.34 6338.58,4291.34 6417.32,4291.34 6496.06,4291.34 6574.8,4291.34 6653.54,4291.34 6732.28,4291.34 6811.02,4291.34
  other v2: 1727.72,244.79 1611.97,246.09 1663.21,259.42 1662.25,325.55 1139.67,351.67 539.87,353.43 656.46,353.45 1055.51,353.68 1205.55,357.6 994.36,378.88 715.85,382.56 598.16,384.69 489.88,396.73 1095.64,406.26 1213.88,423.22 1002.92,444.47 713.47,448.66 518.42,456.4 1068.11,466.4 1132.68,468.09 656.6,482.45 1186.22,483.3 563.19,505.08 1014.57,509.58 1068.11,532.54 1132.68,534.23 693.84,537.11 1186.22,549.44 1014.57,575.72 1084.96,596.5 1111.37,596.85 675.22,600.58 533.33,605.51 1183.52,615.53 1895.18,616.71 1025.69,640.92 1087.79,662.58 1109.06,662.95 674.79,666.72 1428.25,668.64 528.99,671.51 1162.6,678.27 1913.91,680.15 1034.25,706.5 1087.79,728.72 1109.06,729.09 691.92,730.6 506.16,733.59 1428.94,734.78 1162.6,744.42 1034.25,772.64 1462.05,792.04 709.55,794.35 1087.79,794.86 1109.06,795.23 495.18,798.81 1162.6,810.56 1034.25,838.79 690.85,857.79 1087.79,861 1109.06,861.37 509.94,863.28 1162.6,876.7 596.54,897.67 676.32,922.32 535.91,924.11 1087.79,927.15 1109.06,927.52 941.34,1046.41 951.37,1084.43 1087.99,1115.75
  other v3: 2078.74,1633.86 2196.85,1944.88
GND_IN: C4.1 C5.1 C9.2 D1.1 FL1.2 J6.4 J6.5 J6.6
  other v5: 6358.27,688.98 6525.59,688.98 6439.69,689.89 6358.27,757.87 6525.59,757.87 6440.94,759.84
GPA_0: C91.2 IC4.21 R71.1 R85.2 | length 959
  Bottom Layer w8: IC4.21@4073.19,853.74 4156.85,853.74 4216.89,793.7 4216.89,718.9 4272.01,663.78 4486.22,663.78 4662.05,487.95 4662.05,435.84 C91.2@4663.8,434.09 4664.79,434.09 4696.22,402.66 4715.75,402.66 4743.31,430.22 4746.2,430.22 4755,439.02 R85.2@4755,440
GPA_1: C92.2 IC4.22 R86.1 R87.2 | length 1384.7
  Bottom Layer w8: IC4.22@4073.19,879.33 3881.26,879.33 3823.19,821.26 3823.19,683.46 3866.5,640.16 4413.74,640.16 4493,560.89 C92.2@4493,434.09 4507.21,419.88 4520.12,419.88 4533.46,406.54 R86.1@4542.98,406.54 ; R86.1@4542.98,402.66 4546.59,406.27 4546.59,416.59 4555.36,425.36 4570.36,425.36 4575.22,430.22 4576.2,430.22 4585,439.02 R87.2@4585,440
GPA_2: C93.2 IC4.23 R88.1 R90.2 | length 1245
  Bottom Layer w8: IC4.23@4073.19,904.92 3867.48,904.92 3799.57,837.01 3799.57,667.72 3850.75,616.54 4203.46,616.54 4320.11,499.89 4320.11,440 C93.2@4320.11,436.19 ; C93.2@4322.2,434.09 4351.3,405 4380,405 4394.2,419.2 4394.2,419.69 4398.89,424.38 4399.38,424.38 4405.22,430.22 4406.2,430.22 4415,439.02 R90.2@4415,440
GPA_3: C94.2 IC4.24 R91.1 R92.2 | length 1192.6
  Bottom Layer w8: IC4.24@4073.19,930.51 3849.76,930.51 3775.94,856.69 3775.94,655.91 3835,596.85 4113.15,596.85 4150,560 C94.2@4150,435.5 ; C94.2@4151.4,434.09 4152.38,434.09 4168.07,418.41 4168.07,417.43 4184.23,401.27 4203.73,401.27 4203.73,403.04 4207.22,406.54 4221.56,420.87 4221.56,421.36 4230.42,430.22 4236.2,430.22 4245,439.02 R92.2@4245,440
GPA_4: C95.2 IC4.25 R93.1 R94.2 | length 1083.2
  Bottom Layer w8: C95.2@3983.57,442.03 3980.6,445 3980.6,541.8 3945.24,577.17 3823.19,577.17 3756.26,644.09 3756.26,868.5 3842.87,955.12 4072.2,955.12 IC4.25@4073.19,956.1 ; C95.2@3986.51,440 C95.2@3980.6,434.09 3981.58,434.09 3997.27,418.41 3997.27,417.43 4013.42,401.27 4033.73,401.27 4035,400 4035,405.11 4036.42,406.54 4041.54,406.54 4054.2,419.2 4054.2,419.69 4058.89,424.38 4059.38,424.38 4065.22,430.22 4066.2,430.22 4075,439.02 R94.2@4075,440
GPA_5: C96.2 IC4.26 R96.1 R98.2 | length 973.4
  Bottom Layer w8: R96.1@3859.78,402.66 3842.22,402.66 3810.78,434.09 3808.81,434.09 3793.13,449.78 3793.13,450.76 3735.59,508.3 3735.59,879.33 3837.95,981.69 IC4.26@4073.19,981.69 ; R96.1@3865.62,406.54 3889.31,430.22 3896.2,430.22 3905,439.02 R98.2@3905,440
H_USBA_HOST_D_N: J9.2 L2.3 | length 98.6
  Bottom Layer w4.7: L2.3@2448.82,674.7 2448.82,670.7 2442.89,664.78 2442.89,634.7 2442.79,634.6 2442.79,627.38 J9.2@2477.26,592.91
H_USBA_HOST_D_P: J9.3 L2.4 | length 98.6
  Bottom Layer w4.7: J9.3@2398.52,592.91 2432.99,627.38 2432.99,638.66 2433.09,638.76 2433.09,664.78 2427.17,670.7 L2.4@2427.17,674.7
I2C2_SCL: IC1.5 R5.1 U8.84 | length 4072.8
  Top Layer w6: v1(5206.69,1102.36) 5211.57,1102.36 5231.92,1082.01 R5.1@5289.43,1082.01 5331.75,1082.01 5347.5,1066.26 IC1.5@5362.26,1066.26
  Bottom Layer w6: U8.84@3196.85,3346.45 3198.17,3345.13 3244.87,3345.13 3285,3305 3285,2170 3415,2040 3668.66,2040 4218.66,1490 4622.2,1490 4933.27,1178.93 5147.64,964.57 5255.91,964.57 5275.59,984.25 5275.59,1062.99 5236.22,1102.36 v1(5206.69,1102.36)
I2C2_SDA: IC1.6 R8.1 U8.83 | length 3985.1
  Top Layer w6: v1(5206.69,1053.15) 5234.92,1024.92 R8.1@5289.43,1024.92 5318.38,1024.92 5329.64,1036.19 5357.78,1036.19 IC1.6@5362.26,1040.67
  Bottom Layer w6: U8.83@3196.86,3385.83 3239.17,3385.83 3300,3325 3300,2190 3435,2055 3675,2055 4225,1505 4646.57,1505 5157.48,994.09 5246.06,994.09 5255.91,1003.94 5255.91,1043.31 5246.06,1053.15 v1(5206.69,1053.15)
INT#/SQW: R58.1 U7.3 U8.95 | length 2414.9
  Top Layer w10: v1(1519.68,3547.24) 1909.45,3157.48 v1(1909.45,2952.76)
  Bottom Layer w10: R58.1@1346.46,3756.89 1346.46,3700.79 1366.14,3681.1 1366.14,3637.94 U7.3@1368.08,3636 1368.08,3572.79 1393.62,3547.24 v1(1519.68,3547.24) ; v1(1909.45,2952.76) 1948.82,2913.38 U8.95@3196.85,2913.38
LCD_BL_EN: D17.1 U8.101 | length 2902.5
  Top Layer w6: D17.1@1896.65,1785.02 1897.64,1784.03 1897.64,1625.98 1933.07,1590.55 2578.74,1590.55 2657.48,1669.29 2657.48,2227.52 2605,2280 2555,2280 2525.21,2309.79 2525.21,2709.79 v1(2485,2750)
  Bottom Layer w6: v1(2485,2750) 2486.01,2751.01 2506.01,2751.01 2520,2765 2955.47,2765 3043.31,2677.17 U8.101@3196.85,2677.16
LCD_BL_PWM: R51.1 U8.96 | length 3011.1
  Top Layer w6: R51.1@1829.72,1765.04 1835.47,1765.04 1851.5,1749.01 1857.87,1749.01 1869.01,1737.87 1869.01,1629.16 1927.3,1570.87 2590.55,1570.87 2681.1,1661.42 2681.1,2230 2616.1,2295 2560,2295 2540,2315 2540,2750 v1(2495,2795)
  Bottom Layer w6: v1(2495,2795) 3043.03,2795 3122.05,2874.02 U8.96@3196.85,2874.01
LCD_LED_ANODE: C42.1 D16.1 J1.39 J1.40 R47.2 TP14.1 | length 440.9
  Top Layer w12: R47.2@1432.09,1377.24 1432.09,1339.75 1473.33,1298.5 D16.1@1478.25,1298.5 C42.1@1602.56,1298.5
  Bottom Layer w10: J1.39@2824.8,1767.01 2824.8,1809.8 2840,1825 2845,1825 2852.65,1832.65 2852.65,1860.52 TP14.1@2858.27,1866.14 ; v1(2830.71,1673.23) 2830.71,1710.71 2845,1725 2844.49,1725.51 J1.40@2844.49,1767.01
  other v1: 2830.71,1602.36 2830.71,1637.8
LCD_LED_CATHODE: J1.36 J1.37 R53.2 R54.2 R55.2 TP13.1 | length 295.7
  Bottom Layer w6: TP13.1@2763.78,1866.14 2764.76,1865.16 2764.76,1767.99 J1.36@2765.75,1767.01 2766.73,1766.02 2766.73,1674.21 v1(2767.72,1673.23) 2785.43,1690.94 J1.37@2785.43,1767.01
  other v1: 2759.84,1602.36 2767.72,1637.8 1637.8,2271.65 1637.8,2307.09 1637.8,2342.52
LED_BLUE: D35.1 IC4.6 | length 404.2
  Bottom Layer w8: D35.1@4094.25,1117.36 4096.22,1117.36 4113.87,1099.71 4113.87,1097.74 4150,1061.61 4150,965 4210.08,904.92 IC4.6@4352.72,904.92
LED_GREEN: D34.1 IC4.5 | length 339.3
  Bottom Layer w8: D34.1@4172.99,1117.36 4172.99,977.01 4219.49,930.51 IC4.5@4352.72,930.51
LED_RED: D33.1 IC4.4 | length 249.3
  Bottom Layer w8: D33.1@4251.73,1117.36 4251.73,978.27 4273.9,956.1 IC4.4@4352.72,956.1
LVDS0_CLK_N: D10.1 D10.6 J1.17 U8.129 | length 1236.6
  Top Layer w4.4: v1(2196.85,2484.25) 2194.82,2482.22 2181.37,2482.22 2178.24,2479.09 2178.24,2215.98 2231.85,2162.37 2237.97,2156.25 ; 2237.99,2156.23 ccw(c2241.32,2159.54) 2244.66,2156.23 ; 2244.68,2156.25 2261.44,2173.01 cw(c2273.99,2160.53) 2284.25,2174.95 2284.6,2174.95 2288.41,2171.14 2288.41,2170.79 cw(c2273.99,2160.53) 2286.5,2148.01 2253.86,2115.37 ccw(c2257.16,2112.03) 2253.84,2108.7 ccw(c2257.16,2112.03) 2260.5,2108.72 ; 2260.52,2108.74 cw(c2273,2096.19) 2285.54,2108.68 ; 2285.55,2108.67 2308.49,2085.73 ; 2308.52,2085.7 2314.66,2079.56 2319.16,2075.06 2338,2056.22 ccw(c2341.33,2059.54) 2344.65,2056.22 2346.3,2057.87 cw(c2349.62,2054.54) 2352.95,2057.87 cw(c2349.62,2054.54) 2352.95,2051.22 2351.3,2049.57 ccw(c2354.62,2046.25) 2351.3,2042.92 ccw(c2354.62,2046.25) 2357.94,2042.92 2361.34,2046.32 cw(c2364.67,2043) 2367.99,2046.32 cw(c2364.67,2043) 2367.99,2039.68 2364.59,2036.28 ccw(c2367.91,2032.95) 2364.59,2029.63 ccw(c2367.91,2032.95) 2371.24,2029.63 2374.64,2033.03 cw(c2377.96,2029.71) 2381.28,2033.03 cw(c2377.96,2029.71) 2381.28,2026.38 2377.88,2022.98 ccw(c2381.21,2019.66) 2377.88,2016.34 2386.09,2008.13 v1(2409.97,1984.25)
  Bottom Layer w4.4: v1(2196.85,2484.25) 2194.82,2482.22 2181.37,2482.22 2178.24,2479.09 2178.24,2475.45 2195.17,2458.52 2215.81,2458.52 2238.77,2435.56 2238.77,2426.53 2251.96,2413.35 U8.129@2251.96,2401.57 ; J1.17@2391.73,1767.01 2395.07,1770.35 2395.07,1802.61 2419.01,1826.55 2431.87,1826.55 2434.44,1829.13 2434.44,1832.77 2421.26,1845.96 D10.6@2421.26,1860.73 D10.1@2421.26,1887.3 2421.26,1902.07 2434.44,1915.26 2434.44,1986.09 2415.1,2005.44 2405.18,2005.44 2400.46,2000.72 2400.46,1996.64 2409.97,1987.13 v1(2409.97,1984.25)
LVDS0_CLK_P: D10.3 D10.4 J1.18 U8.130 | length 1237.1
  Top Layer w4.4: v1(2174.21,2506.89) 2172.18,2504.86 2172.18,2491.41 2165.24,2484.47 2165.24,2210.59 2222.66,2153.18 2228.77,2147.06 ; 2228.79,2147.05 ccw(c2233.4,2151.62) 2228.83,2147.01 ccw(c2241.32,2159.54) 2253.84,2147.03 2270.63,2163.82 ; 2269.64,2099.47 cw(c2257.16,2112.03) 2244.7,2099.45 cw(c2257.16,2112.03) 2244.65,2099.51 cw(c2257.16,2112.03) 2244.59,2099.57 cw(c2257.16,2112.03) 2244.67,2124.57 2277.28,2157.18 ccw(c2273.99,2160.53) 2270.66,2163.85 ; 2269.67,2099.5 cw(c2273,2096.19) 2276.33,2099.51 2299.3,2076.54 ; 2299.33,2076.51 2305.46,2070.37 2376.01,1999.83 2376.01,1986.19 v1(2377.95,1984.25)
  Bottom Layer w4.4: v1(2174.21,2506.89) 2172.18,2504.86 2172.18,2491.41 2165.24,2484.47 2165.24,2470.06 2189.78,2445.52 2210.43,2445.52 2225.77,2430.18 2225.77,2426.53 2212.59,2413.35 U8.130@2212.59,2401.57 ; v1(2377.95,1984.25) 2377.95,1987.13 2387.46,1996.64 2387.46,2006.1 2399.8,2018.44 2420.48,2018.44 2447.44,1991.48 2447.44,1915.26 2460.63,1902.07 D10.3@2460.63,1887.3 D10.4@2460.63,1860.73 2460.63,1845.96 2447.44,1832.77 2447.44,1823.74 2437.25,1813.55 2424.4,1813.55 2408.07,1797.23 2408.07,1770.35 J1.18@2411.42,1767.01
LVDS0_D0_N: D6.1 D6.6 J1.8 U8.120 | length 1243.5
  Top Layer w4.4: v1(2296.26,1634.84) 2298.29,1632.81 2311.74,1632.81 2318.67,1625.87 2489.73,1625.87 2510.44,1646.58 2510.44,1655.61 2523.62,1668.79 D6.6@2523.62,1683.56 D6.1@2523.62,1710.14 2523.62,1724.91 2510.44,1738.09 2510.44,1818.9 2510.44,1981.93 cw(c2515.14,1981.93) 2515.14,1986.63 2517.93,1986.63 ccw(c2517.93,2004.33) 2517.93,2022.03 2515.14,2022.03 cw(c2515.14,2026.73) 2510.44,2026.73 2510.44,2035.43 2510.44,2157.41 2566.28,2213.25 2577.95,2213.25 2592.51,2227.81 2592.51,2237.61 2602.02,2247.12 v1(2602.02,2250)
  Bottom Layer w4.4: J1.8@2214.57,1767.01 2217.91,1763.67 2217.91,1726.64 2294.22,1650.32 2294.22,1636.88 v1(2296.26,1634.84) ; v1(2602.02,2250) 2602.02,2253.48 2593.11,2262.39 2593.11,2376.62 2606.3,2389.81 U8.120@2606.3,2401.57
LVDS0_D0_P: D6.3 D6.4 J1.9 U8.121 | length 1243.1
  Top Layer w4.4: v1(2318.9,1657.48) 2320.93,1655.45 2320.93,1642 2324.06,1638.87 2484.35,1638.87 2497.44,1651.96 2497.44,1655.61 2484.25,1668.79 D6.4@2484.25,1683.56 D6.3@2484.25,1710.14 2484.25,1724.91 2497.44,1738.09 2497.44,1818.9 2497.44,1981.93 cw(c2515.14,1981.93) 2515.14,1999.63 2517.93,1999.63 ccw(c2517.93,2004.33) 2517.93,2009.03 2515.14,2009.03 cw(c2515.14,2026.73) 2497.44,2026.73 2497.44,2035.43 2497.44,2162.79 2498.99,2164.35 ccw(c2495.67,2167.67) 2498.99,2170.99 2496.45,2173.54 cw(c2499.77,2176.86) 2496.45,2180.19 cw(c2499.77,2176.86) 2503.09,2180.19 2505.64,2177.64 ccw(c2508.96,2180.96) 2512.29,2177.64 ccw(c2508.96,2180.96) 2512.29,2184.29 2511.29,2185.29 cw(c2514.61,2188.61) 2511.29,2191.94 cw(c2514.61,2188.61) 2517.93,2191.94 2518.93,2190.93 ccw(c2522.26,2194.26) 2525.58,2190.93 ccw(c2522.26,2194.26) 2525.58,2197.58 cw(c2528.9,2200.91) 2525.58,2204.23 cw(c2528.9,2200.91) 2532.23,2204.23 ccw(c2535.55,2207.55) 2538.87,2204.23 2557.09,2222.44 2560.89,2226.25 2572.56,2226.25 2579.51,2233.19 2579.51,2237.61 2570,2247.12 v1(2570,2250)
  Bottom Layer w4.4: J1.9@2234.25,1767.01 2230.91,1763.67 2230.91,1732.02 2303.42,1659.51 2316.86,1659.51 v1(2318.9,1657.48) ; U8.121@2566.92,2401.57 2566.92,2389.81 2580.11,2376.62 2580.11,2262.39 2570,2252.28 v1(2570,2250)
LVDS0_D1_N: D7.1 D7.6 J1.11 U8.123 | length 1237.1
  Top Layer w4.4: v1(2227.83,2307.09) 2227.83,2304.21 2237.33,2294.7 2237.33,2284.89 2247.53,2274.7 2272.16,2274.7 2292.94,2295.48 2292.94,2338.37 2362.82,2408.26 2423.9,2408.26 2484.59,2468.95 2484.59,2478.76 2494.09,2488.26 v1(2494.09,2491.14)
  Bottom Layer w4.4: v1(2227.83,2307.09) 2227.83,2304.21 2237.33,2294.7 2237.33,2271.47 2225.78,2259.92 2225.78,2137.8 2225.78,2129.09 ccw(c2243.48,2129.09) 2243.48,2111.39 2252.56,2111.39 cw(c2252.56,2106.69) 2252.56,2101.99 2220.49,2101.99 ccw(c2220.49,2084.29) 2220.49,2066.59 2249.9,2066.59 cw(c2249.9,2061.89) 2249.9,2057.19 2243.48,2057.19 ccw(c2243.48,2039.49) 2225.78,2039.49 2225.78,2000 2225.78,1915.26 2212.6,1902.07 D7.1@2212.6,1887.3 D7.6@2212.6,1860.73 2212.6,1845.96 2225.78,1832.77 2225.78,1823.74 2243.64,1805.89 2268.3,1805.89 2276.96,1797.23 2276.96,1770.35 J1.11@2273.62,1767.01 ; U8.123@2488.18,2401.57 2488.18,2413.36 2475,2426.54 2475,2442.68 2484.59,2452.27 2484.59,2478.76 2494.09,2488.26 v1(2494.09,2491.14)